# KiCad board TemperaturePCB_PANEL.kicad_pcb
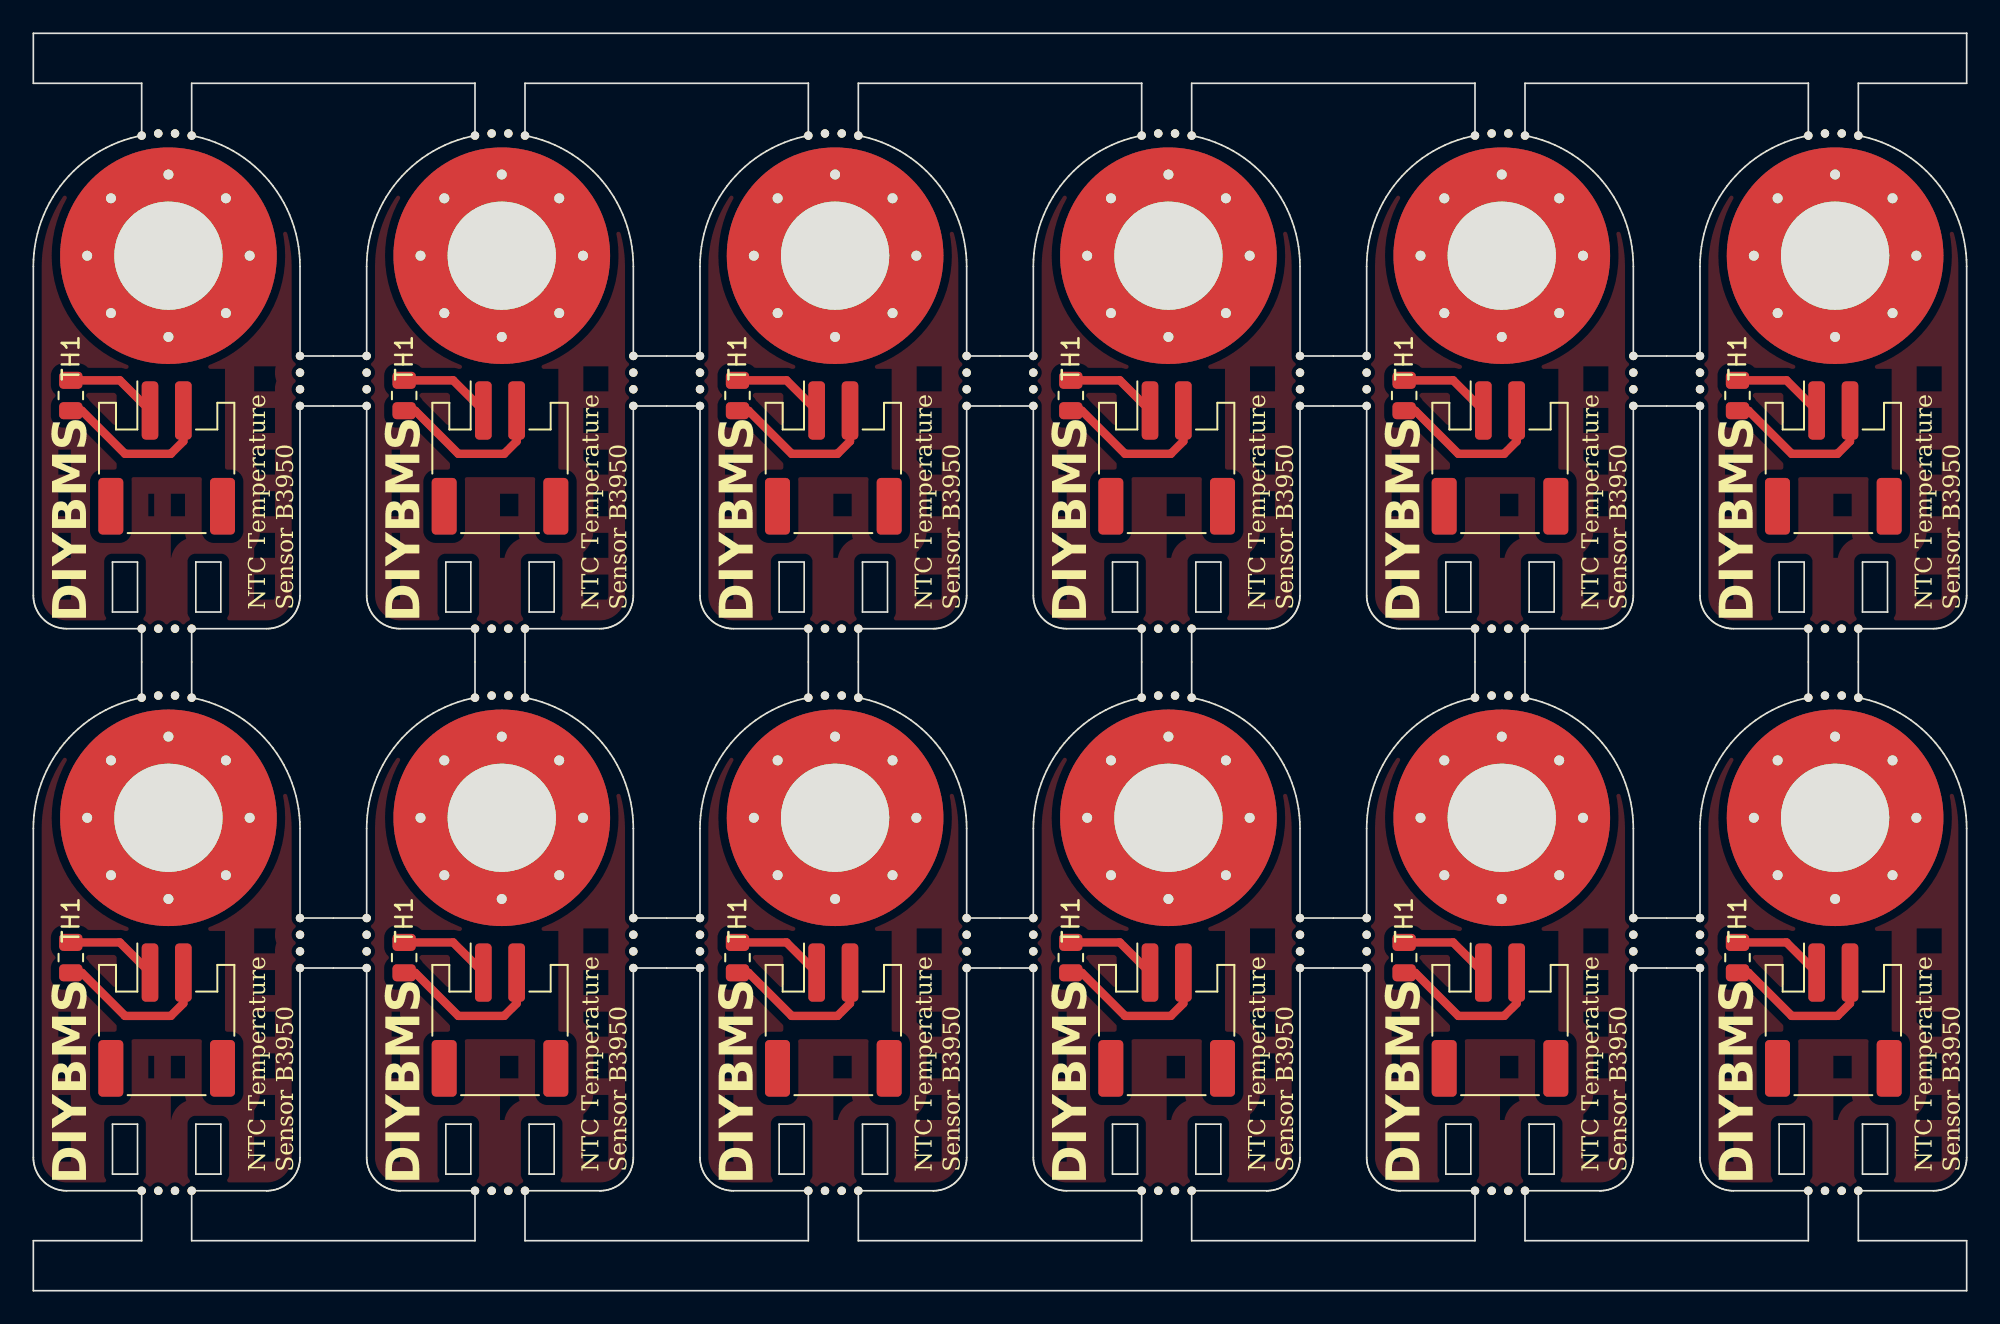
[diagram p0: board, top side]
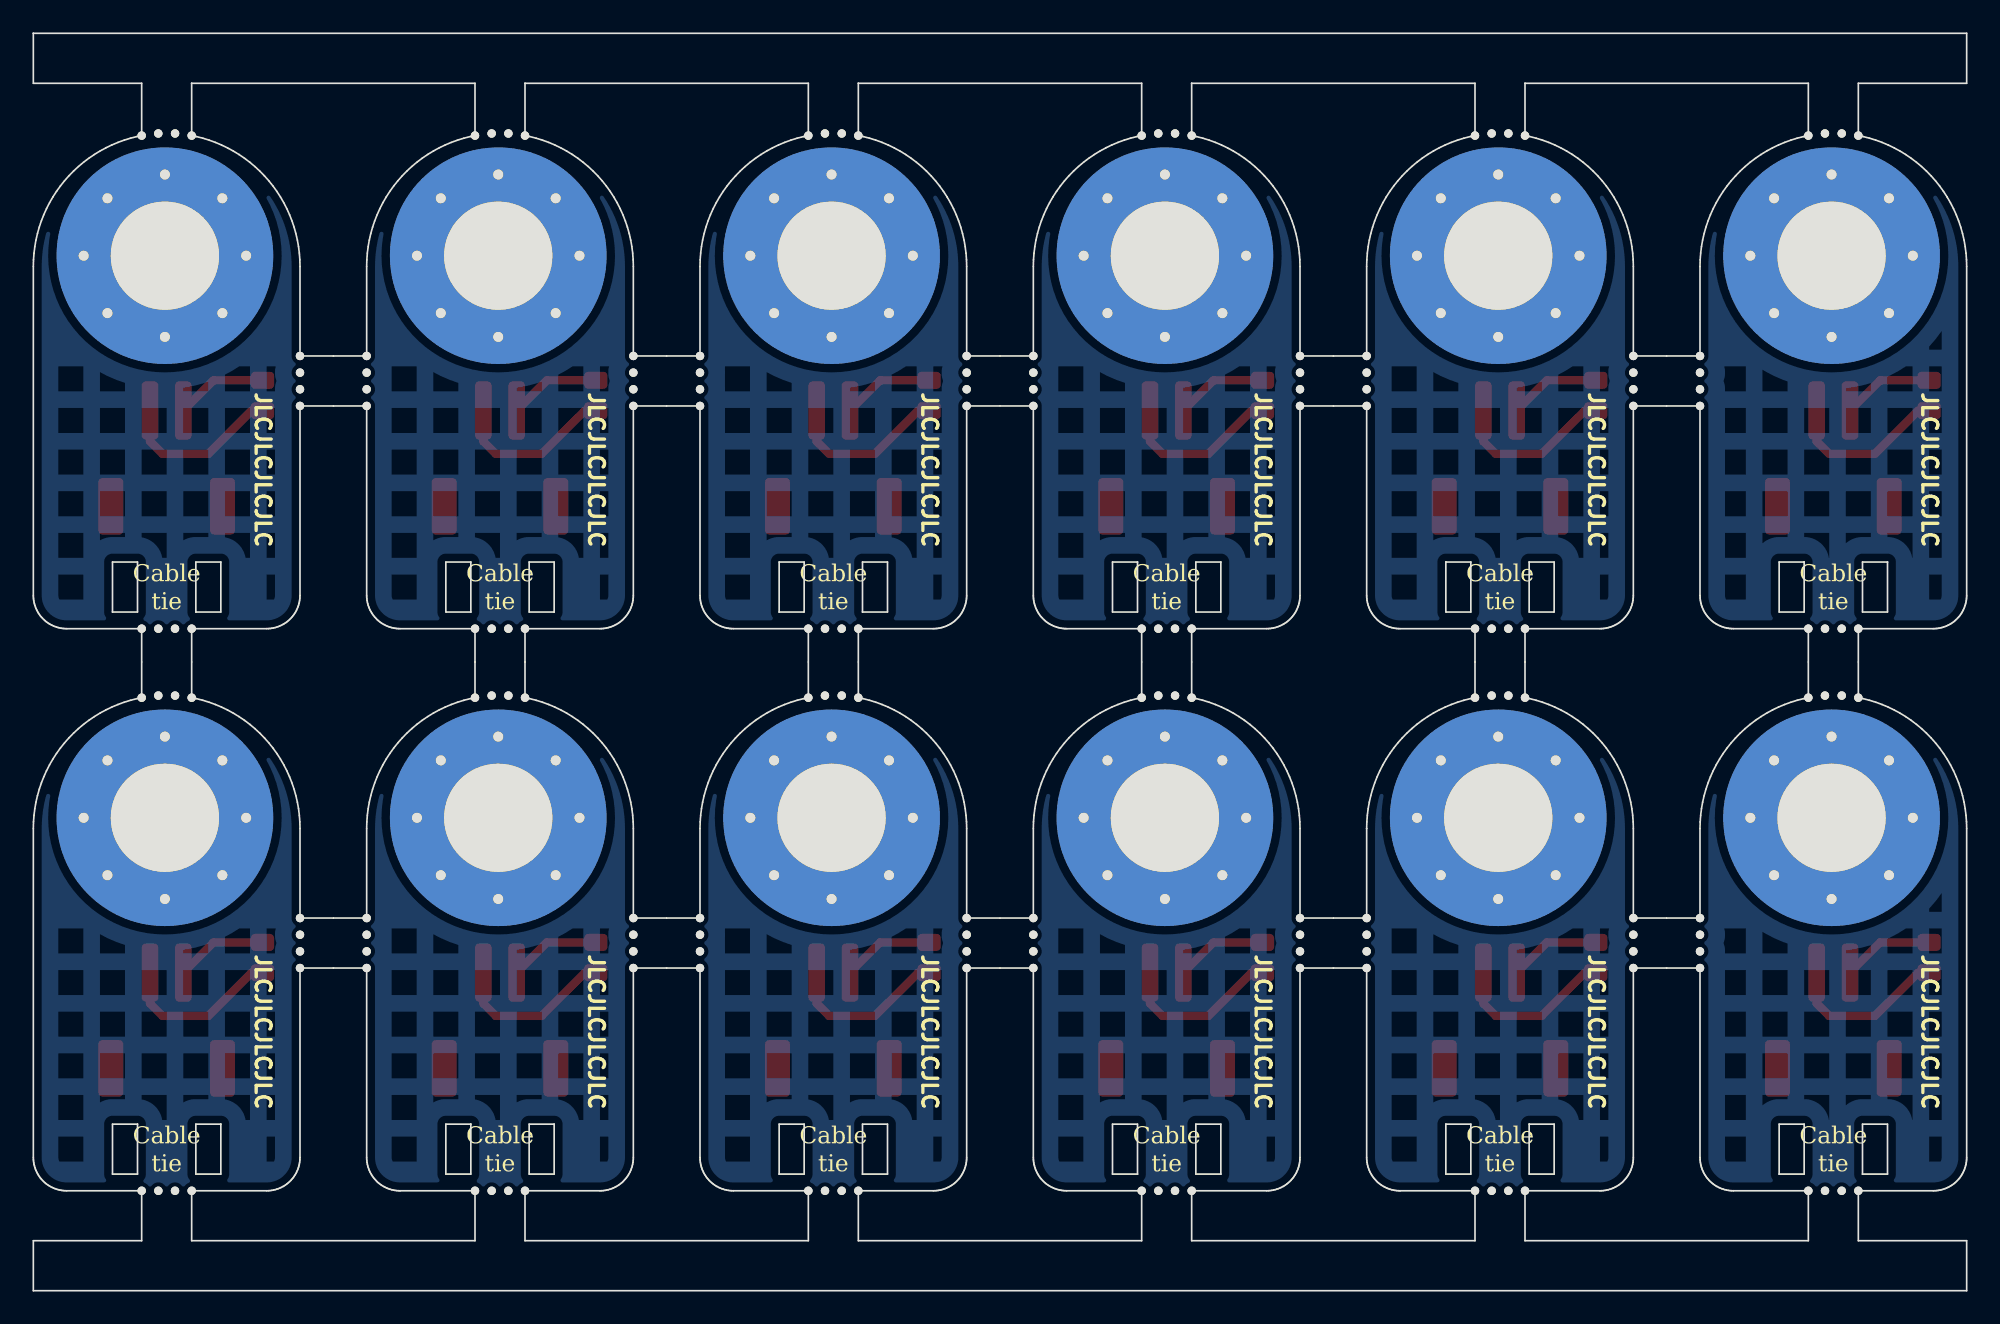
[diagram p1: board, bottom side, seen from below]

Outline 116 x 75.5 mm; copper layers: Top, Bottom. Coordinates in mm from the lower left corner of the outline.
Outline path: 0,75.5 0,72.5 6.5,72.5 6.5,69.36 6.22,69.3 5.83,69.2 5.45,69.08 5.08,68.95 4.71,68.79 4.35,68.62 4,68.43 3.66,68.22 3.33,68 3.01,67.75 2.71,67.5 2.41,67.23 2.14,66.94 1.87,66.64 1.62,66.33 1.39,66.01 1.17,65.67 0.97,65.33 0.79,64.97 0.63,64.61 0.48,64.24 0.36,63.86 0.25,63.47 0.16,63.09 0.09,62.69 0.04,62.3 0.01,61.9 0,61.5 0,41.75 0,41.65 0.01,41.55 0.02,41.45 0.04,41.35 0.06,41.25 0.09,41.15 0.12,41.06 0.16,40.96 0.2,40.87 0.25,40.78 0.3,40.69 0.36,40.61 0.42,40.53 0.48,40.45 0.55,40.37 0.62,40.3 0.7,40.23 0.78,40.17 0.86,40.11 0.94,40.05 1.03,40 1.12,39.95 1.21,39.91 1.31,39.87 1.4,39.84 1.5,39.81 1.6,39.79 1.7,39.77 1.8,39.76 1.9,39.75 2,39.75 6.5,39.75 6.5,35.61 6.22,35.55 5.83,35.45 5.45,35.33 5.08,35.2 4.71,35.04 4.35,34.87 4,34.68 3.66,34.47 3.33,34.25 3.01,34 2.71,33.75 2.41,33.48 2.14,33.19 1.87,32.89 1.62,32.58 1.39,32.26 1.17,31.92 0.97,31.58 0.79,31.22 0.63,30.86 0.48,30.49 0.36,30.11 0.25,29.72 0.16,29.34 0.09,28.94 0.04,28.55 0.01,28.15 0,27.75 0,8 0,7.9 0.01,7.8 0.02,7.7 0.04,7.6 0.06,7.5 0.09,7.4 0.12,7.31 0.16,7.21 0.2,7.12 0.25,7.03 0.3,6.94 0.36,6.86 0.42,6.78 0.48,6.7 0.55,6.62 0.62,6.55 0.7,6.48 0.78,6.42 0.86,6.36 0.94,6.3 1.03,6.25 1.12,6.2 1.21,6.16 1.31,6.12 1.4,6.09 1.5,6.06 1.6,6.04 1.7,6.02 1.8,6.01 1.9,6 2,6 6.5,6 6.5,3 0,3 0,0 116,0 116,3 109.5,3 109.5,6 114,6 114.1,6 114.2,6.01 114.3,6.02 114.4,6.04 114.5,6.06 114.6,6.09 114.69,6.12 114.79,6.16 114.88,6.2 114.97,6.25 115.06,6.3 115.14,6.36 115.22,6.42 115.3,6.48 115.38,6.55 115.45,6.62 115.52,6.7 115.58,6.78 115.64,6.86 115.7,6.94 115.75,7.03 115.8,7.12 115.84,7.21 115.88,7.31 115.91,7.4 115.94,7.5 115.96,7.6 115.98,7.7 115.99,7.8 116,7.9 116,8 116,27.75 115.99,28.15 115.96,28.55 115.91,28.94 115.84,29.34 115.75,29.72 115.64,30.11 115.52,30.49 115.37,30.86 115.21,31.22 115.03,31.58 114.83,31.92 114.61,32.26 114.38,32.58 114.13,32.89 113.86,33.19 113.59,33.48 113.29,33.75 112.99,34 112.67,34.25 112.34,34.47 112,34.68 111.65,34.87 111.29,35.04 110.92,35.2 110.55,35.33 110.17,35.45 109.78,35.55 109.5,35.61 109.5,39.75 114,39.75 114.1,39.75 114.2,39.76 114.3,39.77 114.4,39.79 114.5,39.81 114.6,39.84 114.69,39.87 114.79,39.91 114.88,39.95 114.97,40 115.06,40.05 115.14,40.11 115.22,40.17 115.3,40.23 115.38,40.3 115.45,40.37 115.52,40.45 115.58,40.53 115.64,40.61 115.7,40.69 115.75,40.78 115.8,40.87 115.84,40.96 115.88,41.06 115.91,41.15 115.94,41.25 115.96,41.35 115.98,41.45 115.99,41.55 116,41.65 116,41.75 116,61.5 115.99,61.9 115.96,62.3 115.91,62.69 115.84,63.09 115.75,63.47 115.64,63.86 115.52,64.24 115.37,64.61 115.21,64.97 115.03,65.33 114.83,65.67 114.61,66.01 114.38,66.33 114.13,66.64 113.86,66.94 113.59,67.23 113.29,67.5 112.99,67.75 112.67,68 112.34,68.22 112,68.43 111.65,68.62 111.29,68.79 110.92,68.95 110.55,69.08 110.17,69.2 109.78,69.3 109.5,69.36 109.5,72.5 116,72.5 116,75.5 0,75.5 ; 4.75,43.75 6.25,43.75 6.25,40.75 4.75,40.75 4.75,43.75 ; 4.75,10 6.25,10 6.25,7 4.75,7 4.75,10 ; 9.5,72.5 26.5,72.5 26.5,69.36 26.22,69.3 25.83,69.2 25.45,69.08 25.08,68.95 24.71,68.79 24.35,68.62 24,68.43 23.66,68.22 23.33,68 23.01,67.75 22.71,67.5 22.41,67.23 22.14,66.94 21.87,66.64 21.62,66.33 21.39,66.01 21.17,65.67 20.97,65.33 20.79,64.97 20.63,64.61 20.48,64.24 20.36,63.86 20.25,63.47 20.16,63.09 20.09,62.69 20.04,62.3 20.01,61.9 20,61.5 20,56.12 16,56.12 16,61.5 15.99,61.9 15.96,62.3 15.91,62.69 15.84,63.09 15.75,63.47 15.64,63.86 15.52,64.24 15.37,64.61 15.21,64.97 15.03,65.33 14.83,65.67 14.61,66.01 14.38,66.33 14.13,66.64 13.86,66.94 13.59,67.23 13.29,67.5 12.99,67.75 12.67,68 12.34,68.22 12,68.43 11.65,68.62 11.29,68.79 10.92,68.95 10.55,69.08 10.17,69.2 9.78,69.3 9.5,69.36 9.5,72.5 ; 9.5,39.75 14,39.75 14.1,39.75 14.2,39.76 14.3,39.77 14.4,39.79 14.5,39.81 14.6,39.84 14.69,39.87 14.79,39.91 14.88,39.95 14.97,40 15.06,40.05 15.14,40.11 15.22,40.17 15.3,40.23 15.38,40.3 15.45,40.37 15.52,40.45 15.58,40.53 15.64,40.61 15.7,40.69 15.75,40.78 15.8,40.87 15.84,40.96 15.88,41.06 15.91,41.15 15.94,41.25 15.96,41.35 15.98,41.45 15.99,41.55 16,41.65 16,41.75 16,53.12 20,53.12 20,41.75 20,41.65 20.01,41.55 20.02,41.45 20.04,41.35 20.06,41.25 20.09,41.15 20.12,41.06 20.16,40.96 20.2,40.87 20.25,40.78 20.3,40.69 20.36,40.61 20.42,40.53 20.48,40.45 20.55,40.37 20.62,40.3 20.7,40.23 20.78,40.17 20.86,40.11 20.94,40.05 21.03,40 21.12,39.95 21.21,39.91 21.31,39.87 21.4,39.84 21.5,39.81 21.6,39.79 21.7,39.77 21.8,39.76 21.9,39.75 22,39.75 26.5,39.75 26.5,35.61 26.22,35.55 25.83,35.45 25.45,35.33 25.08,35.2 24.71,35.04 24.35,34.87 24,34.68 23.66,34.47 23.33,34.25 23.01,34 22.71,33.75 22.41,33.48 22.14,33.19 21.87,32.89 21.62,32.58 21.39,32.26 21.17,31.92 20.97,31.58 20.79,31.22 20.63,30.86 20.48,30.49 20.36,30.11 20.25,29.72 20.16,29.34 20.09,28.94 20.04,28.55 20.01,28.15 20,27.75 20,22.37 16,22.37 16,27.75 15.99,28.15 15.96,28.55 15.91,28.94 15.84,29.34 15.75,29.72 15.64,30.11 15.52,30.49 15.37,30.86 15.21,31.22 15.03,31.58 14.83,31.92 14.61,32.26 14.38,32.58 14.13,32.89 13.86,33.19 13.59,33.48 13.29,33.75 12.99,34 12.67,34.25 12.34,34.47 12,34.68 11.65,34.87 11.29,35.04 10.92,35.2 10.55,35.33 10.17,35.45 9.78,35.55 9.5,35.61 9.5,39.75 ; 9.5,6 14,6 14.1,6 14.2,6.01 14.3,6.02 14.4,6.04 14.5,6.06 14.6,6.09 14.69,6.12 14.79,6.16 14.88,6.2 14.97,6.25 15.06,6.3 15.14,6.36 15.22,6.42 15.3,6.48 15.38,6.55 15.45,6.62 15.52,6.7 15.58,6.78 15.64,6.86 15.7,6.94 15.75,7.03 15.8,7.12 15.84,7.21 15.88,7.31 15.91,7.4 15.94,7.5 15.96,7.6 15.98,7.7 15.99,7.8 16,7.9 16,8 16,19.37 20,19.37 20,8 20,7.9 20.01,7.8 20.02,7.7 20.04,7.6 20.06,7.5 20.09,7.4 20.12,7.31 20.16,7.21 20.2,7.12 20.25,7.03 20.3,6.94 20.36,6.86 20.42,6.78 20.48,6.7 20.55,6.62 20.62,6.55 20.7,6.48 20.78,6.42 20.86,6.36 20.94,6.3 21.03,6.25 21.12,6.2 21.21,6.16 21.31,6.12 21.4,6.09 21.5,6.06 21.6,6.04 21.7,6.02 21.8,6.01 21.9,6 22,6 26.5,6 26.5,3 9.5,3 9.5,6 ; 9.75,43.75 11.25,43.75 11.25,40.75 9.75,40.75 9.75,43.75 ; 9.75,10 11.25,10 11.25,7 9.75,7 9.75,10 ; 24.75,43.75 26.25,43.75 26.25,40.75 24.75,40.75 24.75,43.75 ; 24.75,10 26.25,10 26.25,7 24.75,7 24.75,10 ; 29.5,72.5 46.5,72.5 46.5,69.36 46.22,69.3 45.83,69.2 45.45,69.08 45.08,68.95 44.71,68.79 44.35,68.62 44,68.43 43.66,68.22 43.33,68 43.01,67.75 42.71,67.5 42.41,67.23 42.14,66.94 41.87,66.64 41.62,66.33 41.39,66.01 41.17,65.67 40.97,65.33 40.79,64.97 40.63,64.61 40.48,64.24 40.36,63.86 40.25,63.47 40.16,63.09 40.09,62.69 40.04,62.3 40.01,61.9 40,61.5 40,56.12 36,56.12 36,61.5 35.99,61.9 35.96,62.3 35.91,62.69 35.84,63.09 35.75,63.47 35.64,63.86 35.52,64.24 35.37,64.61 35.21,64.97 35.03,65.33 34.83,65.67 34.61,66.01 34.38,66.33 34.13,66.64 33.86,66.94 33.59,67.23 33.29,67.5 32.99,67.75 32.67,68 32.34,68.22 32,68.43 31.65,68.62 31.29,68.79 30.92,68.95 30.55,69.08 30.17,69.2 29.78,69.3 29.5,69.36 29.5,72.5 ; 29.5,39.75 34,39.75 34.1,39.75 34.2,39.76 34.3,39.77 34.4,39.79 34.5,39.81 34.6,39.84 34.69,39.87 34.79,39.91 34.88,39.95 34.97,40 35.06,40.05 35.14,40.11 35.22,40.17 35.3,40.23 35.38,40.3 35.45,40.37 35.52,40.45 35.58,40.53 35.64,40.61 35.7,40.69 35.75,40.78 35.8,40.87 35.84,40.96 35.88,41.06 35.91,41.15 35.94,41.25 35.96,41.35 35.98,41.45 35.99,41.55 36,41.65 36,41.75 36,53.12 40,53.12 40,41.75 40,41.65 40.01,41.55 40.02,41.45 40.04,41.35 40.06,41.25 40.09,41.15 40.12,41.06 40.16,40.96 40.2,40.87 40.25,40.78 40.3,40.69 40.36,40.61 40.42,40.53 40.48,40.45 40.55,40.37 40.62,40.3 40.7,40.23 40.78,40.17 40.86,40.11 40.94,40.05 41.03,40 41.12,39.95 41.21,39.91 41.31,39.87 41.4,39.84 41.5,39.81 41.6,39.79 41.7,39.77 41.8,39.76 41.9,39.75 42,39.75 46.5,39.75 46.5,35.61 46.22,35.55 45.83,35.45 45.45,35.33 45.08,35.2 44.71,35.04 44.35,34.87 44,34.68 43.66,34.47 43.33,34.25 43.01,34 42.71,33.75 42.41,33.48 42.14,33.19 41.87,32.89 41.62,32.58 41.39,32.26 41.17,31.92 40.97,31.58 40.79,31.22 40.63,30.86 40.48,30.49 40.36,30.11 40.25,29.72 40.16,29.34 40.09,28.94 40.04,28.55 40.01,28.15 40,27.75 40,22.37 36,22.37 36,27.75 35.99,28.15 35.96,28.55 35.91,28.94 35.84,29.34 35.75,29.72 35.64,30.11 35.52,30.49 35.37,30.86 35.21,31.22 35.03,31.58 34.83,31.92 34.61,32.26 34.38,32.58 34.13,32.89 33.86,33.19 33.59,33.48 33.29,33.75 32.99,34 32.67,34.25 32.34,34.47 32,34.68 31.65,34.87 31.29,35.04 30.92,35.2 30.55,35.33 30.17,35.45 29.78,35.55 29.5,35.61 29.5,39.75 ; 29.5,6 34,6 34.1,6 34.2,6.01 34.3,6.02 34.4,6.04 34.5,6.06 34.6,6.09 34.69,6.12 34.79,6.16 34.88,6.2 34.97,6.25 35.06,6.3 35.14,6.36 35.22,6.42 35.3,6.48 35.38,6.55 35.45,6.62 35.52,6.7 35.58,6.78 35.64,6.86 35.7,6.94 35.75,7.03 35.8,7.12 35.84,7.21 35.88,7.31 35.91,7.4 35.94,7.5 35.96,7.6 35.98,7.7 35.99,7.8 36,7.9 36,8 36,19.37 40,19.37 40,8 40,7.9 40.01,7.8 40.02,7.7 40.04,7.6 40.06,7.5 40.09,7.4 40.12,7.31 40.16,7.21 40.2,7.12 40.25,7.03 40.3,6.94 40.36,6.86 40.42,6.78 40.48,6.7 40.55,6.62 40.62,6.55 40.7,6.48 40.78,6.42 40.86,6.36 40.94,6.3 41.03,6.25 41.12,6.2 41.21,6.16 41.31,6.12 41.4,6.09 41.5,6.06 41.6,6.04 41.7,6.02 41.8,6.01 41.9,6 42,6 46.5,6 46.5,3 29.5,3 29.5,6 ; 29.75,43.75 31.25,43.75 31.25,40.75 29.75,40.75 29.75,43.75 ; 29.75,10 31.25,10 31.25,7 29.75,7 29.75,10 ; 44.75,43.75 46.25,43.75 46.25,40.75 44.75,40.75 44.75,43.75 ; 44.75,10 46.25,10 46.25,7 44.75,7 44.75,10 ; 49.5,72.5 66.5,72.5 66.5,69.36 66.22,69.3 65.83,69.2 65.45,69.08 65.08,68.95 64.71,68.79 64.35,68.62 64,68.43 63.66,68.22 63.33,68 63.01,67.75 62.71,67.5 62.41,67.23 62.14,66.94 61.87,66.64 61.62,66.33 61.39,66.01 61.17,65.67 60.97,65.33 60.79,64.97 60.63,64.61 60.48,64.24 60.36,63.86 60.25,63.47 60.16,63.09 60.09,62.69 60.04,62.3 60.01,61.9 60,61.5 60,56.12 56,56.12 56,61.5 55.99,61.9 55.96,62.3 55.91,62.69 55.84,63.09 55.75,63.47 55.64,63.86 55.52,64.24 55.37,64.61 55.21,64.97 55.03,65.33 54.83,65.67 54.61,66.01 54.38,66.33 54.13,66.64 53.86,66.94 53.59,67.23 53.29,67.5 52.99,67.75 52.67,68 52.34,68.22 52,68.43 51.65,68.62 51.29,68.79 50.92,68.95 50.55,69.08 50.17,69.2 49.78,69.3 49.5,69.36 49.5,72.5 ; 49.5,39.75 54,39.75 54.1,39.75 54.2,39.76 54.3,39.77 54.4,39.79 54.5,39.81 54.6,39.84 54.69,39.87 54.79,39.91 54.88,39.95 54.97,40 55.06,40.05 55.14,40.11 55.22,40.17 55.3,40.23 55.38,40.3 55.45,40.37 55.52,40.45 55.58,40.53 55.64,40.61 55.7,40.69 55.75,40.78 55.8,40.87 55.84,40.96 55.88,41.06 55.91,41.15 55.94,41.25 55.96,41.35 55.98,41.45 55.99,41.55 56,41.65 56,41.75 56,53.12 60,53.12 60,41.75 60,41.65 60.01,41.55 60.02,41.45 60.04,41.35 60.06,41.25 60.09,41.15 60.12,41.06 60.16,40.96 60.2,40.87 60.25,40.78 60.3,40.69 60.36,40.61 60.42,40.53 60.48,40.45 60.55,40.37 60.62,40.3 60.7,40.23 60.78,40.17 60.86,40.11 60.94,40.05 61.03,40 61.12,39.95 61.21,39.91 61.31,39.87 61.4,39.84 61.5,39.81 61.6,39.79 61.7,39.77 61.8,39.76 61.9,39.75 62,39.75 66.5,39.75 66.5,35.61 66.22,35.55 65.83,35.45 65.45,35.33 65.08,35.2 64.71,35.04 64.35,34.87 64,34.68 63.66,34.47 63.33,34.25 63.01,34 62.71,33.75 62.41,33.48 62.14,33.19 61.87,32.89 61.62,32.58 61.39,32.26 61.17,31.92 60.97,31.58 60.79,31.22 60.63,30.86 60.48,30.49 60.36,30.11 60.25,29.72 60.16,29.34 60.09,28.94 60.04,28.55 60.01,28.15 60,27.75 60,22.37 56,22.37 56,27.75 55.99,28.15 55.96,28.55 55.91,28.94 55.84,29.34 55.75,29.72 55.64,30.11 55.52,30.49 55.37,30.86 55.21,31.22 55.03,31.58 54.83,31.92 54.61,32.26 54.38,32.58 54.13,32.89 53.86,33.19 53.59,33.48 53.29,33.75 52.99,34 52.67,34.25 52.34,34.47 52,34.68 51.65,34.87 51.29,35.04 50.92,35.2 50.55,35.33 50.17,35.45 49.78,35.55 49.5,35.61 49.5,39.75 ; 49.5,6 54,6 54.1,6 54.2,6.01 54.3,6.02 54.4,6.04 54.5,6.06 54.6,6.09 54.69,6.12 54.79,6.16 54.88,6.2 54.97,6.25 55.06,6.3 55.14,6.36 55.22,6.42 55.3,6.48 55.38,6.55 55.45,6.62 55.52,6.7 55.58,6.78 55.64,6.86 55.7,6.94 55.75,7.03 55.8,7.12 55.84,7.21 55.88,7.31 55.91,7.4 55.94,7.5 55.96,7.6 55.98,7.7 55.99,7.8 56,7.9 56,8 56,19.37 60,19.37 60,8 60,7.9 60.01,7.8 60.02,7.7 60.04,7.6 60.06,7.5 60.09,7.4 60.12,7.31 60.16,7.21 60.2,7.12 60.25,7.03 60.3,6.94 60.36,6.86 60.42,6.78 60.48,6.7 60.55,6.62 60.62,6.55 60.7,6.48 60.78,6.42 60.86,6.36 60.94,6.3 61.03,6.25 61.12,6.2 61.21,6.16 61.31,6.12 61.4,6.09 61.5,6.06 61.6,6.04 61.7,6.02 61.8,6.01 61.9,6 62,6 66.5,6 66.5,3 49.5,3 49.5,6 ; 49.75,43.75 51.25,43.75 51.25,40.75 49.75,40.75 49.75,43.75 ; 49.75,10 51.25,10 51.25,7 49.75,7 49.75,10 ; 64.75,43.75 66.25,43.75 66.25,40.75 64.75,40.75 64.75,43.75 ; 64.75,10 66.25,10 66.25,7 64.75,7 64.75,10 ; 69.5,72.5 86.5,72.5 86.5,69.36 86.22,69.3 85.83,69.2 85.45,69.08 85.08,68.95 84.71,68.79 84.35,68.62 84,68.43 83.66,68.22 83.33,68 83.01,67.75 82.71,67.5 82.41,67.23 82.14,66.94 81.87,66.64 81.62,66.33 81.39,66.01 81.17,65.67 80.97,65.33 80.79,64.97 80.63,64.61 80.48,64.24 80.36,63.86 80.25,63.47 80.16,63.09 80.09,62.69 80.04,62.3 80.01,61.9 80,61.5 80,56.12 76,56.12 76,61.5 75.99,61.9 75.96,62.3 75.91,62.69 75.84,63.09 75.75,63.47 75.64,63.86 75.52,64.24 75.37,64.61 75.21,64.97 75.03,65.33 74.83,65.67 74.61,66.01 74.38,66.33 74.13,66.64 73.86,66.94 73.59,67.23 73.29,67.5 72.99,67.75 72.67,68 72.34,68.22 72,68.43 71.65,68.62 71.29,68.79 70.92,68.95 70.55,69.08 70.17,69.2 69.78,69.3 69.5,69.36 69.5,72.5 ; 69.5,39.75 74,39.75 74.1,39.75 74.2,39.76 74.3,39.77 74.4,39.79 74.5,39.81 74.6,39.84 74.69,39.87 74.79,39.91 74.88,39.95 74.97,40 75.06,40.05 75.14,40.11 75.22,40.17 75.3,40.23 75.38,40.3 75.45,40.37 75.52,40.45 75.58,40.53 75.64,40.61 75.7,40.69 75.75,40.78 75.8,40.87 75.84,40.96 75.88,41.06 75.91,41.15 75.94,41.25 75.96,41.35 75.98,41.45 75.99,41.55 76,41.65 76,41.75 76,53.12 80,53.12 80,41.75 80,41.65 80.01,41.55 80.02,41.45 80.04,41.35 80.06,41.25 80.09,41.15 80.12,41.06 80.16,40.96 80.2,40.87 80.25,40.78 80.3,40.69 80.36,40.61 80.42,40.53 80.48,40.45 80.55,40.37 80.62,40.3 80.7,40.23 80.78,40.17 80.86,40.11 80.94,40.05 81.03,40 81.12,39.95 81.21,39.91 81.31,39.87 81.4,39.84 81.5,39.81 81.6,39.79 81.7,39.77 81.8,39.76 81.9,39.75 82,39.75 86.5,39.75 86.5,35.61 86.22,35.55 85.83,35.45 85.45,35.33 85.08,35.2 84.71,35.04 84.35,34.87 84,34.68 83.66,34.47 83.33,34.25 83.01,34 82.71,33.75 82.41,33.48 82.14,33.19 81.87,32.89 81.62,32.58 81.39,32.26 81.17,31.92 80.97,31.58 80.79,31.22 80.63,30.86 80.48,30.49 80.36,30.11 80.25,29.72 80.16,29.34 80.09,28.94 80.04,28.55 80.01,28.15 80,27.75 80,22.37 76,22.37 76,27.75 75.99,28.15 75.96,28.55 75.91,28.94 75.84,29.34 75.75,29.72 75.64,30.11 75.52,30.49 75.37,30.86 75.21,31.22 75.03,31.58 74.83,31.92 74.61,32.26 74.38,32.58 74.13,32.89 73.86,33.19 73.59,33.48 73.29,33.75 72.99,34 72.67,34.25 72.34,34.47 72,34.68 71.65,34.87 71.29,35.04 70.92,35.2 70.55,35.33 70.17,35.45 69.78,35.55 69.5,35.61 69.5,39.75 ; 69.5,6 74,6 74.1,6 74.2,6.01 74.3,6.02 74.4,6.04 74.5,6.06 74.6,6.09 74.69,6.12 74.79,6.16 74.88,6.2 74.97,6.25 75.06,6.3 75.14,6.36 75.22,6.42 75.3,6.48 75.38,6.55 75.45,6.62 75.52,6.7 75.58,6.78 75.64,6.86 75.7,6.94 75.75,7.03 75.8,7.12 75.84,7.21 75.88,7.31 75.91,7.4 75.94,7.5 75.96,7.6 75.98,7.7 75.99,7.8 76,7.9 76,8 76,19.37 80,19.37 80,8 80,7.9 80.01,7.8 80.02,7.7 80.04,7.6 80.06,7.5 80.09,7.4 80.12,7.31 80.16,7.21 80.2,7.12 80.25,7.03 80.3,6.94 80.36,6.86 80.42,6.78 80.48,6.7 80.55,6.62 80.62,6.55 80.7,6.48 80.78,6.42 80.86,6.36 80.94,6.3 81.03,6.25 81.12,6.2 81.21,6.16 81.31,6.12 81.4,6.09 81.5,6.06 81.6,6.04 81.7,6.02 81.8,6.01 81.9,6 82,6 86.5,6 86.5,3 69.5,3 69.5,6 ; 69.75,43.75 71.25,43.75 71.25,40.75 69.75,40.75 69.75,43.75 ; 69.75,10 71.25,10 71.25,7 69.75,7 69.75,10 ; 84.75,43.75 86.25,43.75 86.25,40.75 84.75,40.75 84.75,43.75 ; 84.75,10 86.25,10 86.25,7 84.75,7 84.75,10 ; 89.5,72.5 106.5,72.5 106.5,69.36 106.22,69.3 105.83,69.2 105.45,69.08 105.08,68.95 104.71,68.79 104.35,68.62 104,68.43 103.66,68.22 103.33,68 103.01,67.75 102.71,67.5 102.41,67.23 102.14,66.94 101.87,66.64 101.62,66.33 101.39,66.01 101.17,65.67 100.97,65.33 100.79,64.97 100.63,64.61 100.48,64.24 100.36,63.86 100.25,63.47 100.16,63.09 100.09,62.69 100.04,62.3 100.01,61.9 100,61.5 100,56.12 96,56.12 96,61.5 95.99,61.9 95.96,62.3 95.91,62.69 95.84,63.09 95.75,63.47 95.64,63.86 95.52,64.24 95.37,64.61 95.21,64.97 95.03,65.33 94.83,65.67 94.61,66.01 94.38,66.33 94.13,66.64 93.86,66.94 93.59,67.23 93.29,67.5 92.99,67.75 92.67,68 92.34,68.22 92,68.43 91.65,68.62 91.29,68.79 90.92,68.95 90.55,69.08 90.17,69.2 89.78,69.3 89.5,69.36 89.5,72.5 ; 89.5,39.75 94,39.75 94.1,39.75 94.2,39.76 94.3,39.77 94.4,39.79 94.5,39.81 94.6,39.84 94.69,39.87 94.79,39.91 94.88,39.95 94.97,40 95.06,40.05 95.14,40.11 95.22,40.17 95.3,40.23 95.38,40.3 95.45,40.37 95.52,40.45 95.58,40.53 95.64,40.61 95.7,40.69 95.75,40.78 95.8,40.87 95.84,40.96 95.88,41.06 95.91,41.15 95.94,41.25 95.96,41.35 95.98,41.45 95.99,41.55 96,41.65 96,41.75 96,53.12 100,53.12 100,41.75 100,41.65 100.01,41.55 100.02,41.45 100.04,41.35 100.06,41.25 100.09,41.15 100.12,41.06 100.16,40.96 100.2,40.87 100.25,40.78 100.3,40.69 100.36,40.61 100.42,40.53 100.48,40.45 100.55,40.37 100.62,40.3 100.7,40.23 100.78,40.17 100.86,40.11 100.94,40.05 101.03,40 101.12,39.95 101.21,39.91 101.31,39.87 101.4,39.84 101.5,39.81 101.6,39.79 101.7,39.77 101.8,39.76 101.9,39.75 102,39.75 106.5,39.75 106.5,35.61 106.22,35.55 105.83,35.45 105.45,35.33 105.08,35.2 104.71,35.04 104.35,34.87 104,34.68 103.66,34.47 103.33,34.25 103.01,34 102.71,33.75 102.41,33.48 102.14,33.19 101.87,32.89 101.62,32.58 101.39,32.26 101.17,31.92 100.97,31.58 100.79,31.22 100.63,30.86 100.48,30.49 100.36,30.11 100.25,29.72 100.16,29.34 100.09,28.94 100.04,28.55 100.01,28.15 100,27.75 100,22.37 96,22.37 96,27.75 95.99,28.15 95.96,28.55 95.91,28.94 95.84,29.34 95.75,29.72 95.64,30.11 95.52,30.49 95.37,30.86 95.21,31.22 95.03,31.58 94.83,31.92 94.61,32.26 94.38,32.58 94.13,32.89 93.86,33.19 93.59,33.48 93.29,33.75 92.99,34 92.67,34.25 92.34,34.47 92,34.68 91.65,34.87 91.29,35.04 90.92,35.2 90.55,35.33 90.17,35.45 89.78,35.55 89.5,35.61 89.5,39.75 ; 89.5,6 94,6 94.1,6 94.2,6.01 94.3,6.02 94.4,6.04 94.5,6.06 94.6,6.09 94.69,6.12 94.79,6.16 94.88,6.2 94.97,6.25 95.06,6.3 95.14,6.36 95.22,6.42 95.3,6.48 95.38,6.55 95.45,6.62 95.52,6.7 95.58,6.78 95.64,6.86 95.7,6.94 95.75,7.03 95.8,7.12 95.84,7.21 95.88,7.31 95.91,7.4 95.94,7.5 95.96,7.6 95.98,7.7 95.99,7.8 96,7.9 96,8 96,19.37 100,19.37 100,8 100,7.9 100.01,7.8 100.02,7.7 100.04,7.6 100.06,7.5 100.09,7.4 100.12,7.31 100.16,7.21 100.2,7.12 100.25,7.03 100.3,6.94 100.36,6.86 100.42,6.78 100.48,6.7 100.55,6.62 100.62,6.55 100.7,6.48 100.78,6.42 100.86,6.36 100.94,6.3 101.03,6.25 101.12,6.2 101.21,6.16 101.31,6.12 101.4,6.09 101.5,6.06 101.6,6.04 101.7,6.02 101.8,6.01 101.9,6 102,6 106.5,6 106.5,3 89.5,3 89.5,6 ; 89.75,43.75 91.25,43.75 91.25,40.75 89.75,40.75 89.75,43.75 ; 89.75,10 91.25,10 91.25,7 89.75,7 89.75,10 ; 104.75,43.75 106.25,43.75 106.25,40.75 104.75,40.75 104.75,43.75 ; 104.75,10 106.25,10 106.25,7 104.75,7 104.75,10 ; 109.75,43.75 111.25,43.75 111.25,40.75 109.75,40.75 109.75,43.75 ; 109.75,10 111.25,10 111.25,7 109.75,7 109.75,10

## Placement (name value [footprint] x y rotation side)
H1  MountingHole  [MountingHole_6.5mm_Pad_Via]  28.11 28.39 0 top
H1#2  MountingHole  [MountingHole_6.5mm_Pad_Via]  108.11 62.14 0 top
H1#3  MountingHole  [MountingHole_6.5mm_Pad_Via]  68.11 62.14 0 top
H1#4  MountingHole  [MountingHole_6.5mm_Pad_Via]  48.11 28.39 0 top
H1#5  MountingHole  [MountingHole_6.5mm_Pad_Via]  68.11 28.39 0 top
H1#6  MountingHole  [MountingHole_6.5mm_Pad_Via]  8.11 28.39 0 top
H1#7  MountingHole  [MountingHole_6.5mm_Pad_Via]  8.11 62.14 0 top
H1#8  MountingHole  [MountingHole_6.5mm_Pad_Via]  48.11 62.14 0 top
H1#9  MountingHole  [MountingHole_6.5mm_Pad_Via]  88.11 62.14 0 top
H1#10  MountingHole  [MountingHole_6.5mm_Pad_Via]  88.11 28.39 0 top
H1#11  MountingHole  [MountingHole_6.5mm_Pad_Via]  28.11 62.14 0 top
H1#12  MountingHole  [MountingHole_6.5mm_Pad_Via]  108.11 28.39 0 top
J1  S2B-PH-SM4-TB(LF)(SN)  [JST_PH_S2B-PH-SM4-TB_1x02-1MP_P2.00mm_Horizontal]  88 50 0 top
J1#2  S2B-PH-SM4-TB(LF)(SN)  [JST_PH_S2B-PH-SM4-TB_1x02-1MP_P2.00mm_Horizontal]  8 16.25 0 top
J1#3  S2B-PH-SM4-TB(LF)(SN)  [JST_PH_S2B-PH-SM4-TB_1x02-1MP_P2.00mm_Horizontal]  108 16.25 0 top
J1#4  S2B-PH-SM4-TB(LF)(SN)  [JST_PH_S2B-PH-SM4-TB_1x02-1MP_P2.00mm_Horizontal]  68 50 0 top
J1#5  S2B-PH-SM4-TB(LF)(SN)  [JST_PH_S2B-PH-SM4-TB_1x02-1MP_P2.00mm_Horizontal]  68 16.25 0 top
J1#6  S2B-PH-SM4-TB(LF)(SN)  [JST_PH_S2B-PH-SM4-TB_1x02-1MP_P2.00mm_Horizontal]  28 50 0 top
J1#7  S2B-PH-SM4-TB(LF)(SN)  [JST_PH_S2B-PH-SM4-TB_1x02-1MP_P2.00mm_Horizontal]  48 50 0 top
J1#8  S2B-PH-SM4-TB(LF)(SN)  [JST_PH_S2B-PH-SM4-TB_1x02-1MP_P2.00mm_Horizontal]  88 16.25 0 top
J1#9  S2B-PH-SM4-TB(LF)(SN)  [JST_PH_S2B-PH-SM4-TB_1x02-1MP_P2.00mm_Horizontal]  8 50 0 top
J1#10  S2B-PH-SM4-TB(LF)(SN)  [JST_PH_S2B-PH-SM4-TB_1x02-1MP_P2.00mm_Horizontal]  108 50 0 top
J1#11  S2B-PH-SM4-TB(LF)(SN)  [JST_PH_S2B-PH-SM4-TB_1x02-1MP_P2.00mm_Horizontal]  28 16.25 0 top
J1#12  S2B-PH-SM4-TB(LF)(SN)  [JST_PH_S2B-PH-SM4-TB_1x02-1MP_P2.00mm_Horizontal]  48 16.25 0 top
KiKit_MB_1_1  -  [NPTH]  16 56.12 0 top
KiKit_MB_1_2  -  [NPTH]  16 55.12 0 top
KiKit_MB_1_3  -  [NPTH]  16 54.12 0 top
KiKit_MB_1_4  -  [NPTH]  16 53.12 0 top
KiKit_MB_2_1  -  [NPTH]  6.5 69.36 0 top
KiKit_MB_2_2  -  [NPTH]  7.5 69.48 0 top
KiKit_MB_2_3  -  [NPTH]  8.5 69.48 0 top
KiKit_MB_2_4  -  [NPTH]  9.5 69.36 0 top
KiKit_MB_3_1  -  [NPTH]  9.5 39.75 0 top
KiKit_MB_3_2  -  [NPTH]  8.5 39.75 0 top
KiKit_MB_3_3  -  [NPTH]  7.5 39.75 0 top
KiKit_MB_3_4  -  [NPTH]  6.5 39.75 0 top
KiKit_MB_4_1  -  [NPTH]  20 53.12 0 top
KiKit_MB_4_2  -  [NPTH]  20 54.12 0 top
KiKit_MB_4_3  -  [NPTH]  20 55.12 0 top
KiKit_MB_4_4  -  [NPTH]  20 56.12 0 top
KiKit_MB_5_1  -  [NPTH]  36 56.12 0 top
KiKit_MB_5_2  -  [NPTH]  36 55.12 0 top
KiKit_MB_5_3  -  [NPTH]  36 54.12 0 top
KiKit_MB_5_4  -  [NPTH]  36 53.12 0 top
KiKit_MB_6_1  -  [NPTH]  26.5 69.36 0 top
KiKit_MB_6_2  -  [NPTH]  27.5 69.48 0 top
KiKit_MB_6_3  -  [NPTH]  28.5 69.48 0 top
KiKit_MB_6_4  -  [NPTH]  29.5 69.36 0 top
KiKit_MB_7_1  -  [NPTH]  29.5 39.75 0 top
KiKit_MB_7_2  -  [NPTH]  28.5 39.75 0 top
KiKit_MB_7_3  -  [NPTH]  27.5 39.75 0 top
KiKit_MB_7_4  -  [NPTH]  26.5 39.75 0 top
KiKit_MB_8_1  -  [NPTH]  40 53.12 0 top
KiKit_MB_8_2  -  [NPTH]  40 54.12 0 top
KiKit_MB_8_3  -  [NPTH]  40 55.12 0 top
KiKit_MB_8_4  -  [NPTH]  40 56.12 0 top
KiKit_MB_9_1  -  [NPTH]  56 56.12 0 top
KiKit_MB_9_2  -  [NPTH]  56 55.12 0 top
KiKit_MB_9_3  -  [NPTH]  56 54.12 0 top
KiKit_MB_9_4  -  [NPTH]  56 53.12 0 top
KiKit_MB_10_1  -  [NPTH]  46.5 69.36 0 top
KiKit_MB_10_2  -  [NPTH]  47.5 69.48 0 top
KiKit_MB_10_3  -  [NPTH]  48.5 69.48 0 top
KiKit_MB_10_4  -  [NPTH]  49.5 69.36 0 top
KiKit_MB_11_1  -  [NPTH]  49.5 39.75 0 top
KiKit_MB_11_2  -  [NPTH]  48.5 39.75 0 top
KiKit_MB_11_3  -  [NPTH]  47.5 39.75 0 top
KiKit_MB_11_4  -  [NPTH]  46.5 39.75 0 top
KiKit_MB_12_1  -  [NPTH]  60 53.12 0 top
KiKit_MB_12_2  -  [NPTH]  60 54.12 0 top
KiKit_MB_12_3  -  [NPTH]  60 55.12 0 top
KiKit_MB_12_4  -  [NPTH]  60 56.12 0 top
KiKit_MB_13_1  -  [NPTH]  76 56.12 0 top
KiKit_MB_13_2  -  [NPTH]  76 55.12 0 top
KiKit_MB_13_3  -  [NPTH]  76 54.12 0 top
KiKit_MB_13_4  -  [NPTH]  76 53.12 0 top
KiKit_MB_14_1  -  [NPTH]  66.5 69.36 0 top
KiKit_MB_14_2  -  [NPTH]  67.5 69.48 0 top
KiKit_MB_14_3  -  [NPTH]  68.5 69.48 0 top
KiKit_MB_14_4  -  [NPTH]  69.5 69.36 0 top
KiKit_MB_15_1  -  [NPTH]  69.5 39.75 0 top
KiKit_MB_15_2  -  [NPTH]  68.5 39.75 0 top
KiKit_MB_15_3  -  [NPTH]  67.5 39.75 0 top
KiKit_MB_15_4  -  [NPTH]  66.5 39.75 0 top
KiKit_MB_16_1  -  [NPTH]  80 53.12 0 top
KiKit_MB_16_2  -  [NPTH]  80 54.12 0 top
KiKit_MB_16_3  -  [NPTH]  80 55.12 0 top
KiKit_MB_16_4  -  [NPTH]  80 56.12 0 top
KiKit_MB_17_1  -  [NPTH]  96 56.12 0 top
KiKit_MB_17_2  -  [NPTH]  96 55.12 0 top
KiKit_MB_17_3  -  [NPTH]  96 54.12 0 top
KiKit_MB_17_4  -  [NPTH]  96 53.12 0 top
KiKit_MB_18_1  -  [NPTH]  86.5 69.36 0 top
KiKit_MB_18_2  -  [NPTH]  87.5 69.48 0 top
KiKit_MB_18_3  -  [NPTH]  88.5 69.48 0 top
KiKit_MB_18_4  -  [NPTH]  89.5 69.36 0 top
KiKit_MB_19_1  -  [NPTH]  89.5 39.75 0 top
KiKit_MB_19_2  -  [NPTH]  88.5 39.75 0 top
KiKit_MB_19_3  -  [NPTH]  87.5 39.75 0 top
KiKit_MB_19_4  -  [NPTH]  86.5 39.75 0 top
KiKit_MB_20_1  -  [NPTH]  100 53.12 0 top
KiKit_MB_20_2  -  [NPTH]  100 54.12 0 top
KiKit_MB_20_3  -  [NPTH]  100 55.12 0 top
KiKit_MB_20_4  -  [NPTH]  100 56.12 0 top
KiKit_MB_21_1  -  [NPTH]  106.5 69.36 0 top
KiKit_MB_21_2  -  [NPTH]  107.5 69.48 0 top
KiKit_MB_21_3  -  [NPTH]  108.5 69.48 0 top
KiKit_MB_21_4  -  [NPTH]  109.5 69.36 0 top
KiKit_MB_22_1  -  [NPTH]  109.5 39.75 0 top
KiKit_MB_22_2  -  [NPTH]  108.5 39.75 0 top
KiKit_MB_22_3  -  [NPTH]  107.5 39.75 0 top
KiKit_MB_22_4  -  [NPTH]  106.5 39.75 0 top
KiKit_MB_23_1  -  [NPTH]  16 22.37 0 top
KiKit_MB_23_2  -  [NPTH]  16 21.37 0 top
KiKit_MB_23_3  -  [NPTH]  16 20.37 0 top
KiKit_MB_23_4  -  [NPTH]  16 19.37 0 top
KiKit_MB_24_1  -  [NPTH]  6.5 35.61 0 top
KiKit_MB_24_2  -  [NPTH]  7.5 35.73 0 top
KiKit_MB_24_3  -  [NPTH]  8.5 35.73 0 top
KiKit_MB_24_4  -  [NPTH]  9.5 35.61 0 top
KiKit_MB_25_1  -  [NPTH]  9.5 6 0 top
KiKit_MB_25_2  -  [NPTH]  8.5 6 0 top
KiKit_MB_25_3  -  [NPTH]  7.5 6 0 top
KiKit_MB_25_4  -  [NPTH]  6.5 6 0 top
KiKit_MB_26_1  -  [NPTH]  20 19.37 0 top
KiKit_MB_26_2  -  [NPTH]  20 20.37 0 top
KiKit_MB_26_3  -  [NPTH]  20 21.37 0 top
KiKit_MB_26_4  -  [NPTH]  20 22.37 0 top
KiKit_MB_27_1  -  [NPTH]  36 22.37 0 top
KiKit_MB_27_2  -  [NPTH]  36 21.37 0 top
KiKit_MB_27_3  -  [NPTH]  36 20.37 0 top
KiKit_MB_27_4  -  [NPTH]  36 19.37 0 top
KiKit_MB_28_1  -  [NPTH]  26.5 35.61 0 top
KiKit_MB_28_2  -  [NPTH]  27.5 35.73 0 top
KiKit_MB_28_3  -  [NPTH]  28.5 35.73 0 top
KiKit_MB_28_4  -  [NPTH]  29.5 35.61 0 top
KiKit_MB_29_1  -  [NPTH]  29.5 6 0 top
KiKit_MB_29_2  -  [NPTH]  28.5 6 0 top
KiKit_MB_29_3  -  [NPTH]  27.5 6 0 top
KiKit_MB_29_4  -  [NPTH]  26.5 6 0 top
KiKit_MB_30_1  -  [NPTH]  40 19.37 0 top
KiKit_MB_30_2  -  [NPTH]  40 20.37 0 top
KiKit_MB_30_3  -  [NPTH]  40 21.37 0 top
KiKit_MB_30_4  -  [NPTH]  40 22.37 0 top
KiKit_MB_31_1  -  [NPTH]  56 22.37 0 top
KiKit_MB_31_2  -  [NPTH]  56 21.37 0 top
KiKit_MB_31_3  -  [NPTH]  56 20.37 0 top
KiKit_MB_31_4  -  [NPTH]  56 19.37 0 top
KiKit_MB_32_1  -  [NPTH]  46.5 35.61 0 top
KiKit_MB_32_2  -  [NPTH]  47.5 35.73 0 top
KiKit_MB_32_3  -  [NPTH]  48.5 35.73 0 top
KiKit_MB_32_4  -  [NPTH]  49.5 35.61 0 top
KiKit_MB_33_1  -  [NPTH]  49.5 6 0 top
KiKit_MB_33_2  -  [NPTH]  48.5 6 0 top
KiKit_MB_33_3  -  [NPTH]  47.5 6 0 top
KiKit_MB_33_4  -  [NPTH]  46.5 6 0 top
KiKit_MB_34_1  -  [NPTH]  60 19.37 0 top
KiKit_MB_34_2  -  [NPTH]  60 20.37 0 top
KiKit_MB_34_3  -  [NPTH]  60 21.37 0 top
KiKit_MB_34_4  -  [NPTH]  60 22.37 0 top
KiKit_MB_35_1  -  [NPTH]  76 22.37 0 top
KiKit_MB_35_2  -  [NPTH]  76 21.37 0 top
KiKit_MB_35_3  -  [NPTH]  76 20.37 0 top
KiKit_MB_35_4  -  [NPTH]  76 19.37 0 top
KiKit_MB_36_1  -  [NPTH]  66.5 35.61 0 top
KiKit_MB_36_2  -  [NPTH]  67.5 35.73 0 top
KiKit_MB_36_3  -  [NPTH]  68.5 35.73 0 top
KiKit_MB_36_4  -  [NPTH]  69.5 35.61 0 top
KiKit_MB_37_1  -  [NPTH]  69.5 6 0 top
KiKit_MB_37_2  -  [NPTH]  68.5 6 0 top
KiKit_MB_37_3  -  [NPTH]  67.5 6 0 top
KiKit_MB_37_4  -  [NPTH]  66.5 6 0 top
KiKit_MB_38_1  -  [NPTH]  80 19.37 0 top
KiKit_MB_38_2  -  [NPTH]  80 20.37 0 top
KiKit_MB_38_3  -  [NPTH]  80 21.37 0 top
KiKit_MB_38_4  -  [NPTH]  80 22.37 0 top
KiKit_MB_39_1  -  [NPTH]  96 22.37 0 top
KiKit_MB_39_2  -  [NPTH]  96 21.37 0 top
KiKit_MB_39_3  -  [NPTH]  96 20.37 0 top
KiKit_MB_39_4  -  [NPTH]  96 19.37 0 top
KiKit_MB_40_1  -  [NPTH]  86.5 35.61 0 top
KiKit_MB_40_2  -  [NPTH]  87.5 35.73 0 top
KiKit_MB_40_3  -  [NPTH]  88.5 35.73 0 top
KiKit_MB_40_4  -  [NPTH]  89.5 35.61 0 top
KiKit_MB_41_1  -  [NPTH]  89.5 6 0 top
KiKit_MB_41_2  -  [NPTH]  88.5 6 0 top
KiKit_MB_41_3  -  [NPTH]  87.5 6 0 top
KiKit_MB_41_4  -  [NPTH]  86.5 6 0 top
KiKit_MB_42_1  -  [NPTH]  100 19.37 0 top
KiKit_MB_42_2  -  [NPTH]  100 20.37 0 top
KiKit_MB_42_3  -  [NPTH]  100 21.37 0 top
KiKit_MB_42_4  -  [NPTH]  100 22.37 0 top
KiKit_MB_43_1  -  [NPTH]  106.5 35.61 0 top
KiKit_MB_43_2  -  [NPTH]  107.5 35.73 0 top
KiKit_MB_43_3  -  [NPTH]  108.5 35.73 0 top
KiKit_MB_43_4  -  [NPTH]  109.5 35.61 0 top
KiKit_MB_44_1  -  [NPTH]  109.5 6 0 top
KiKit_MB_44_2  -  [NPTH]  108.5 6 0 top
KiKit_MB_44_3  -  [NPTH]  107.5 6 0 top
KiKit_MB_44_4  -  [NPTH]  106.5 6 0 top
TH1  10K NTC  [R_0805_2012Metric]  82.25 20 90 top
TH1#2  10K NTC  [R_0805_2012Metric]  2.25 20 90 top
TH1#3  10K NTC  [R_0805_2012Metric]  82.25 53.75 90 top
TH1#4  10K NTC  [R_0805_2012Metric]  22.25 20 90 top
TH1#5  10K NTC  [R_0805_2012Metric]  22.25 53.75 90 top
TH1#6  10K NTC  [R_0805_2012Metric]  62.25 20 90 top
TH1#7  10K NTC  [R_0805_2012Metric]  102.25 20 90 top
TH1#8  10K NTC  [R_0805_2012Metric]  42.25 53.75 90 top
TH1#9  10K NTC  [R_0805_2012Metric]  102.25 53.75 90 top
TH1#10  10K NTC  [R_0805_2012Metric]  62.25 53.75 90 top
TH1#11  10K NTC  [R_0805_2012Metric]  2.25 53.75 90 top
TH1#12  10K NTC  [R_0805_2012Metric]  42.25 20 90 top

## Library data of the parts
H1 H1#2-H1#12 = -: Description: Mounting Hole without connection
J1 J1#2-J1#12 = -: Description: Generic connector, single row, 01x02, script generated; LCSCStockCode: C295747
TH1 TH1#2-TH1#12 = -: Description: Temperature dependent resistor, negative temperature coefficient; LCSCStockCode: C51597; PartNumber: CMFB103F3950FANT

## Footprints (pads in the part's own frame, mm; a bottom-side part is the same pattern mirrored in y, then rotated)
JST_PH_S2B-PH-SM4-TB_1x02-1MP_P2.00mm_Horizontal
  rrect 1x3.5 smd: 1(-1,2.85) 2(1,2.85)
  rrect 1.5x3.4 smd: MP(-3.35,-2.9) MP(3.35,-2.9)
MountingHole_6.5mm_Pad_Via
  round 0.9 hole 0.6: 1(-4.875,0) 1(-3.447,3.447) 1(-3.447,-3.447) 1(0,4.875) 1(0,-4.875) 1(3.447,3.447) 1(3.447,-3.447) 1(4.875,0)
  round 13 hole 6.5: 1(0,0)
NPTH
  round 0.5 hole 0.5 unplated: (0,0)
R_0805_2012Metric
  rrect 1.025x1.4 smd: 1(-0.912,0) 2(0.912,0)

## Nets
Board_0-Net-(J1-Pin_1): J1#9.1 TH1#11.2
Board_0-Net-(J1-Pin_2): J1#9.2 TH1#11.1
Board_1-Net-(J1-Pin_1): J1#6.1 TH1#5.2
Board_1-Net-(J1-Pin_2): J1#6.2 TH1#5.1
Board_2-Net-(J1-Pin_1): J1#7.1 TH1#8.2
Board_2-Net-(J1-Pin_2): J1#7.2 TH1#8.1
Board_3-Net-(J1-Pin_1): J1#4.1 TH1#10.2
Board_3-Net-(J1-Pin_2): J1#4.2 TH1#10.1
Board_4-Net-(J1-Pin_1): J1.1 TH1#3.2
Board_4-Net-(J1-Pin_2): J1.2 TH1#3.1
Board_5-Net-(J1-Pin_1): J1#10.1 TH1#9.2
Board_5-Net-(J1-Pin_2): J1#10.2 TH1#9.1
Board_6-Net-(J1-Pin_1): J1#2.1 TH1#2.2
Board_6-Net-(J1-Pin_2): J1#2.2 TH1#2.1
Board_7-Net-(J1-Pin_1): J1#11.1 TH1#4.2
Board_7-Net-(J1-Pin_2): J1#11.2 TH1#4.1
Board_8-Net-(J1-Pin_1): J1#12.1 TH1#12.2
Board_8-Net-(J1-Pin_2): J1#12.2 TH1#12.1
Board_9-Net-(J1-Pin_1): J1#5.1 TH1#6.2
Board_9-Net-(J1-Pin_2): J1#5.2 TH1#6.1
Board_10-Net-(J1-Pin_1): J1#8.1 TH1.2
Board_10-Net-(J1-Pin_2): J1#8.2 TH1.1
Board_11-Net-(J1-Pin_1): J1#3.1 TH1#7.2
Board_11-Net-(J1-Pin_2): J1#3.2 TH1#7.1

Pads without a net: H1 1; H1#2 1; H1#3 1; H1#4 1; H1#5 1; H1#6 1; H1#7 1; H1#8 1; H1#9 1; H1#10 1; H1#11 1; H1#12 1; J1 MP; J1#2 MP; J1#3 MP; J1#4 MP; J1#5 MP; J1#6 MP; J1#7 MP; J1#8 MP; J1#9 MP; J1#10 MP; J1#11 MP; J1#12 MP

## Routing (per net, layer and track width the routed paths; a pad name or vN(x,y) marks a point on that pad's centre or on a via; arc(x,y) is an arc through that point)
Board_0-Net-(J1-Pin_1): length 5.5
  Top w0.5: J1#9.1 5.19,54.66 TH1#11.2
Board_0-Net-(J1-Pin_2): length 10
  Top w0.5: J1#9.2 9,51 8.25,50.25 5.5,50.25 2.91,52.84 TH1#11.1
Board_1-Net-(J1-Pin_1): length 5.5
  Top w0.5: TH1#5.2 25.19,54.66 J1#6.1
Board_1-Net-(J1-Pin_2): length 10
  Top w0.5: J1#6.2 29,51 28.25,50.25 25.5,50.25 22.91,52.84 TH1#5.1
Board_2-Net-(J1-Pin_1): length 5.5
  Top w0.5: TH1#8.2 45.19,54.66 J1#7.1
Board_2-Net-(J1-Pin_2): length 10
  Top w0.5: TH1#8.1 42.91,52.84 45.5,50.25 48.25,50.25 49,51 J1#7.2
Board_3-Net-(J1-Pin_1): length 5.5
  Top w0.5: TH1#10.2 65.19,54.66 J1#4.1
Board_3-Net-(J1-Pin_2): length 10
  Top w0.5: J1#4.2 69,51 68.25,50.25 65.5,50.25 62.91,52.84 TH1#10.1
Board_4-Net-(J1-Pin_1): length 5.5
  Top w0.5: TH1#3.2 85.19,54.66 J1.1
Board_4-Net-(J1-Pin_2): length 10
  Top w0.5: J1.2 89,51 88.25,50.25 85.5,50.25 82.91,52.84 TH1#3.1
Board_5-Net-(J1-Pin_1): length 5.5
  Top w0.5: J1#10.1 105.19,54.66 TH1#9.2
Board_5-Net-(J1-Pin_2): length 10
  Top w0.5: TH1#9.1 102.91,52.84 105.5,50.25 108.25,50.25 109,51 J1#10.2
Board_6-Net-(J1-Pin_1): length 5.5
  Top w0.5: J1#2.1 5.19,20.91 TH1#2.2
Board_6-Net-(J1-Pin_2): length 10
  Top w0.5: J1#2.2 9,17.25 8.25,16.5 5.5,16.5 2.91,19.09 TH1#2.1
Board_7-Net-(J1-Pin_1): length 5.5
  Top w0.5: TH1#4.2 25.19,20.91 J1#11.1
Board_7-Net-(J1-Pin_2): length 10
  Top w0.5: TH1#4.1 22.91,19.09 25.5,16.5 28.25,16.5 29,17.25 J1#11.2
Board_8-Net-(J1-Pin_1): length 5.5
  Top w0.5: TH1#12.2 45.19,20.91 J1#12.1
Board_8-Net-(J1-Pin_2): length 10
  Top w0.5: TH1#12.1 42.91,19.09 45.5,16.5 48.25,16.5 49,17.25 J1#12.2
Board_9-Net-(J1-Pin_1): length 5.5
  Top w0.5: TH1#6.2 65.19,20.91 J1#5.1
Board_9-Net-(J1-Pin_2): length 10
  Top w0.5: TH1#6.1 62.91,19.09 65.5,16.5 68.25,16.5 69,17.25 J1#5.2
Board_10-Net-(J1-Pin_1): length 5.5
  Top w0.5: TH1.2 85.19,20.91 J1#8.1
Board_10-Net-(J1-Pin_2): length 10
  Top w0.5: TH1.1 82.91,19.09 85.5,16.5 88.25,16.5 89,17.25 J1#8.2
Board_11-Net-(J1-Pin_1): length 5.5
  Top w0.5: J1#3.1 105.19,20.91 TH1#7.2
Board_11-Net-(J1-Pin_2): length 10
  Top w0.5: J1#3.2 109,17.25 108.25,16.5 105.5,16.5 102.91,19.09 TH1#7.1

## Copper pours and planes (outline as drawn; the poured copper is in the pictures)
(no net) on Top, Bottom: -0.04,5.99 15.96,5.99 16,36 0,36
(no net) on Top, Bottom: 99.96,39.74 115.96,39.74 116,69.75 100,69.75
(no net) on Top, Bottom: -0.04,39.74 15.96,39.74 16,69.75 0,69.75
(no net) on Top, Bottom: 39.96,5.99 55.96,5.99 56,36 40,36
(no net) on Top, Bottom: 19.96,39.74 35.96,39.74 36,69.75 20,69.75
(no net) on Top, Bottom: 19.96,5.99 35.96,5.99 36,36 20,36
(no net) on Top, Bottom: 59.96,39.74 75.96,39.74 76,69.75 60,69.75
(no net) on Top, Bottom: 79.96,39.74 95.96,39.74 96,69.75 80,69.75
(no net) on Top, Bottom: 39.96,39.74 55.96,39.74 56,69.75 40,69.75
(no net) on Top, Bottom: 59.96,5.99 75.96,5.99 76,36 60,36
(no net) on Top, Bottom: 79.96,5.99 95.96,5.99 96,36 80,36
(no net) on Top, Bottom: 99.96,5.99 115.96,5.99 116,36 100,36

## Text on the board
B.Silkscreen: JLCJLCJLCJLC | Cable / tie
F.Silkscreen: NTC Temperature / Sensor B3950 | DIYBMS
